# Altium PCB rt10.PcbDoc (part 3 of 4)
Units mil, origin at the board's own origin, x right, y up, seen from the top; angles counter-clockwise.
Board outline 1400 x 1750 mil, 8 copper layers (Top, L2, L3, L4, L5, L6, L7, Bottom), stack 46.851 mil thick; 256 components, 225 nets, 1033 pads, 563 vias.
Unrouted connection lines stored in the file: 9.
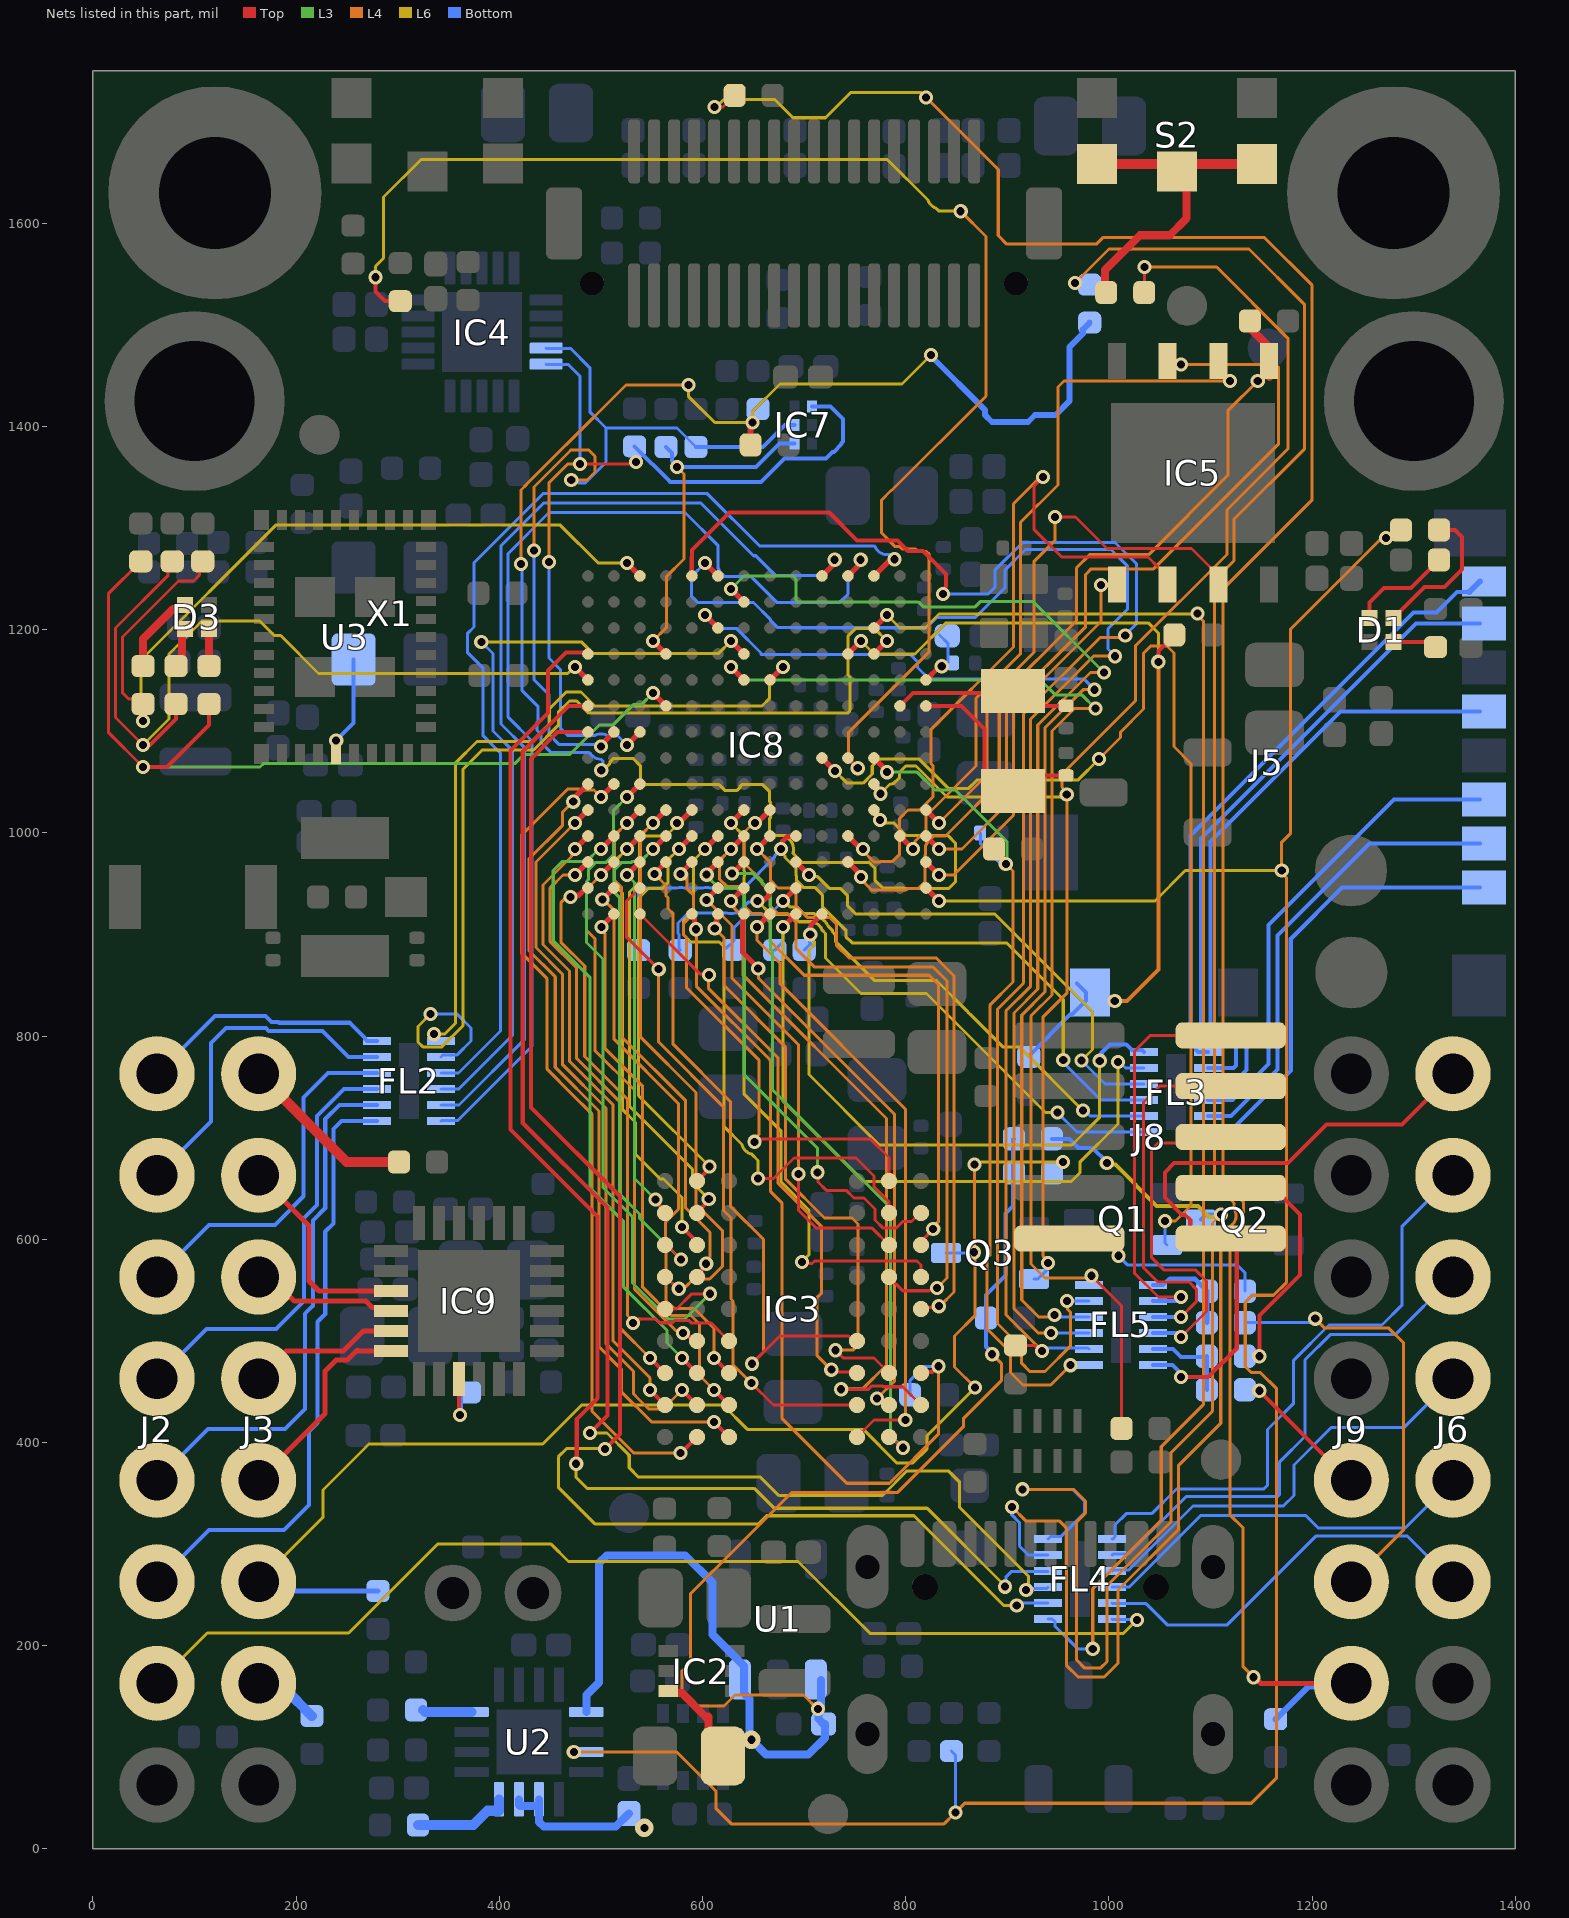
[diagram p9: the nets of this part, all layers, seen from the top]

## Via types
v1: diameter 14, hole 8, Top to Bottom, tented both sides, 524 vias
v2: diameter 18, hole 8, Top to Bottom, tented both sides, 17 vias
v3: diameter 24, hole 12, Top to Bottom, tented both sides, 7 vias
v4: diameter 16, hole 8, Top to Bottom, tented both sides, 6 vias
v5: diameter 18, hole 12, Top to Bottom, tented both sides, 3 vias
v6: diameter 18, hole 18, Top to Bottom, tented both sides, 2 vias
v7: diameter 20, hole 12, Top to Bottom, tented both sides, 2 vias
v8: diameter 16, hole 10, Top to Bottom, tented both sides, 1 vias
v9: diameter 22, hole 10, Top to Bottom, tented both sides, 1 vias

## Nets (pads, with @x,y where several pads share a name; then routed paths per layer and width w, separated by ;. In a path a pad name is that pad's centre, name@x,y a point inside that pad or via, vN(x,y) a via of type N, cw(c..) or ccw(c..) an arc to the next point about the centre after c; other vN are vias at no path point) (continued)
ILIM: R10.1 U2.12 | length 96.7
  Bottom w10: R10.1@319.88,23.62 374.4,23.62 388.34,37.56 399.48,37.56 399.6,37.68 U2.12@399.6,48.82
INT_I2C_INT: IC7.4 IC8.D11 R17.1 | length 353.7
  Top w5: v1(551.18,1188.97) IC8.D11@563.97,1176.18
  L4 w3: v1(551.18,1188.97) 564.27,1202.06 564.27,1252.27 581.69,1269.69 581.69,1353.35 v1(574.8,1360.24)
  Bottom w4: R17.1@563.98,1379.92 569.72,1374.18 569.72,1366.17 575.66,1360.24 652.56,1360.24 675.79,1383.47 IC7.4@690.36,1383.47
INT_I2C_SCL: IC4.10 IC7.1 IC8.C8 R15.1 | length 850.8
  Top w3: v1(479.33,1363.19) 530.04,1363.19 532.01,1365.16 v1(534.45,1365.16)
  Top w5: v1(525.59,1086.62) IC8.C8@538.38,1099.41
  L4 w3: v1(448.82,1266.73) 448.82,1344.72 467.29,1363.19 v1(479.33,1363.19)
  Bottom w3: IC4.10@445.99,1461.5 446.5,1461 468,1461 479.33,1449.67 v1(479.33,1363.19) ; v1(448.82,1266.73) 448.82,1172.18 460,1161 460,1103.13 467.13,1096 494.06,1096 cw(c500,1085) 505.94,1096 516.21,1096 v1(525.59,1086.62)
  Bottom w4: R15.1@533.09,1380.5 568.19,1345.4 657.4,1345.4 680.59,1368.58 721.48,1368.58 727.95,1375.05 729.27,1375.05 736.89,1382.66 736.89,1383.99 738.19,1385.29 738.19,1407.48 725.98,1419.69 IC7.1@707.68,1419.69
INT_I2C_SDA: IC4.9 IC7.5 IC8.B8 R16.1 | length 841.8
  Top w5: v1(500,1085) 500,1086.62 IC8.B8@512.79,1099.41
  L4 w3: v1@434.06,1275.59 434.06,1340.55 468.5,1375 468.56,1375 470.67,1377.11 487.75,1377.11 494.12,1370.74 494.12,1355.34 486.14,1347.36 v1(470.76,1347.36)
  Bottom w3: v1@434.06,1275.59 434.06,1150.8 448.79,1136.07 448.79,1097.21 459.04,1086.96 498.04,1086.96 v1(500,1085) ; IC4.9@445.99,1477.25 446.24,1477 470,1477 489,1458 489,1414.55 504.93,1398.62 ; v1(470.76,1347.36) 472.86,1345.26 477.4,1345.26 478.01,1344.65 484.65,1344.65 504.93,1364.93 504.93,1398.62 ; R16.1@593.5,1379.92 574.8,1398.62 504.93,1398.62
  Bottom w4: R16.1@593.5,1379.92 659.51,1379.92 681.17,1401.58 IC7.5@690.36,1401.58
  other v1: 434,1278
ISET: R12.1 U2.16 | length 48.7
  Bottom w10: R12.1@324.8,136.81 326.77,134.84 U2.16@372.63,134.85
JTAG_TCK: FL5.4 IC8.F12 | length 1147.7
  Top w5: v1(602.36,1214.56) IC8.F12@615.15,1201.77
  L4 w3: v1(946.46,525.52) 944.57,523.62 930.81,523.62 914.12,540.31 914.12,820.67 936.9,843.45 936.9,1103.29 974.62,1141.01 v1(985.8,1141.01)
  Bottom w3: v1(602.36,1214.56) 615.45,1201.47 633.13,1201.47 657.43,1177.17 657.43,1175.88 804.32,1175.88 811.61,1168.59 811.61,1162.89 822.83,1151.67 975.14,1151.67 v1(985.8,1141.01) ; v1(946.46,525.52) 948.36,523.62 FL5.4@980.31,523.62
JTAG_TCK_INT: FL5.9 J8.4 | length 377.3
  Top w3: v1(1070.87,523.62) 1086,538.75 1086,551 1079,558 1048,558 1034,572 1034,735 1049.79,750.79 J8.4@1119.88,750.79
  Bottom w4: FL5.9@1043.31,523.62 v1(1070.87,523.62)
JTAG_TDI: FL5.2 IC8.F14 R71.1 | length 1478.8
  Top w3: R71.1@908,495.7 926.91,495.7 932.48,490.13 v1(934.17,490.13)
  Top w5: v1(602.36,1265.74) IC8.F14@615.15,1252.95
  L4 w3: v1(934.17,490.13) 898.58,525.72 898.58,824.93 922.9,849.25 922.9,1112.14 984.75,1174 v1(1006,1174)
  Bottom w3: v1(602.36,1265.74) 589.27,1252.65 589.27,1232.73 594.94,1227.06 633.13,1227.06 633.32,1226.87 650.1,1226.87 666.64,1210.33 666.64,1209.38 673.96,1202.06 691.94,1202.06 692,1202 820.38,1202 830.54,1212.16 868.46,1212.16 897.45,1241.15 897.45,1258.55 917.9,1279 1002,1279 1018,1263 1018,1220 999,1201 999,1181 v1(1006,1174) ; v1(934.17,490.13) 937.15,490.13 940.12,493.11 979.33,493.11 FL5.2@980.31,492.13
JTAG_TDI_INT: FL5.11 R55.1 R58.1 | length 89.6
  Bottom w4: FL5.11@1043.31,492.13 1062.99,492.13 1070.87,484.25 1095.55,484.25 R58.1@1096.3,485 R55.1@1096.3,452
JTAG_TDI_INT_UNUSED: J8.8 R58.2 | length 196.8
  Top w4: v1(1148,485) 1148,525 1188,565 1188,624.67 J8.8@1159.29,653.38
JTAG_TDO: FL5.3 IC8.G13 | length 1200.9
  Top w5: v1(627.95,1240.15) IC8.G13@640.74,1227.36
  L3 w3: v1(627.95,1240.15) 640.8,1253 689,1253 692,1250 692,1229.26 693.76,1227.5 812.18,1227.5 817.04,1222.64 868.34,1222.64 873.7,1228 925,1228 v1(995,1158)
  L4 w3: v1(942.91,507.87) 930.3,507.87 906.46,531.71 906.46,822.91 929.9,846.35 929.9,1106.19 981.71,1158 v1(995,1158)
  Bottom w3: v1(942.91,507.87) FL5.3@980.31,507.88
JTAG_TDO_INT: FL5.10 J8.6 | length 347.4
  Top w3: v1(1070.87,503.94) 1096,529.07 1096,559 1085,570 1054,570 1042,582 1042,688 1049,695 1114.09,695 J8.6@1119.88,700.79
  Bottom w4: FL5.10@1043.31,507.88 1066.93,507.87 v1(1070.87,503.94)
JTAG_TMS: FL5.5 IC8.E14 | length 1563.6
  Top w4: IC8.E14@589.56,1252.95 589.36,1253.15 589.36,1271.12 589.56,1271.32 589.56,1278.53 626.37,1315.34 724.66,1315.34 752.13,1287.87 791.63,1287.87 801.92,1277.58 816.91,1277.58 839.57,1254.92 839.57,1242.48 838.47,1241.39 838.47,1237.05 v1(836.56,1235.14)
  L4 w3: v1@958.66,539.53 959.11,539.08 959.11,531.13 962.27,527.97 962.27,495.27 937,470 922,470 914,478 914,493.48 890.27,517.21 890.27,826.52 915.9,852.15 915.9,1117.08 991.33,1192.51 1014.22,1192.51 v1(1016.02,1194.31)
  Bottom w3: v1(836.56,1235.14) 881.05,1235.14 888,1242.09 888,1259 915,1286 1006,1286 1027,1265 1027,1205.84 1016.02,1194.86 v1(1016.02,1194.31) ; v1@958.66,539.53 v1(958.74,539.45) 980.23,539.45 FL5.5@980.31,539.37
JTAG_TMS_INT: FL5.8 J8.2 | length 404.3
  Top w3: v1(1070.87,543.31) 1048.69,543.31 1025,567 1025,785 1040.79,800.79 J8.2@1119.88,800.79
  Bottom w4: FL5.8@1043.31,539.37 1066.93,539.37 v1(1070.87,543.31)
JTAG_TRSTB: FL5.6 IC8.G10 R72.1 | length 1207.6
  Top w3: v1(982.79,564.18) 1012.3,534.67 R72.1@1012.3,414
  Top w5: v1(627.95,1163.38) IC8.G10@640.74,1150.59
  L3 w3: v1(627.95,1163.38) 640.73,1150.6 932.53,1150.6 947.15,1135.98 973.16,1135.98 986.68,1122.46 v1(986.82,1122.46)
  L4 w3: v1(982.79,564.18) 980.68,562.08 975.6,562.08 975.53,562.01 937.01,562.01 923.33,575.69 923.33,819.98 943.9,840.55 943.9,1100.39 965.96,1122.46 v1(986.82,1122.46)
JTAG_TRSTB_INT: FL5.7 R56.1 R59.2 | length 92
  Bottom w4: FL5.7@1043.31,555.12 1053.15,555.12 1059.2,561.16 1060.09,561.16
  Bottom w5: 1060.09,561.16 1084.44,561.16 R59.2@1096.6,549 1096.3,548.7 R56.1@1096.3,518
JTAG_TRSTB_INT_UNUSED: J8.9 R59.1 | length 149.7
  Bottom w3: v1(1009.24,583.86) 1018.1,575 1126,575 1134,567 R59.1@1134,549
LED_B: IC8.C14 R19.1 R44.2 | length 831.1
  Top w3: R19.1@49.21,1126.97 44.23,1131.95 35.05,1131.95 29.07,1137.93 29.07,1192.9 84.16,1248 99,1248 104.73,1253.73 104.73,1264.03 R44.2@108,1267.3
  Top w4: v1(49.21,1110.23) R19.1@49.21,1118.11
  Top w5: v1(525.59,1265.74) IC8.C14@538.38,1252.95
  L6 w3: v1(49.21,1110.23) 47.68,1111.76 47.68,1115.56 47.24,1115.99 47.24,1170.35 179.9,1303 460,1303 497.26,1265.74 v1(525.59,1265.74)
LED_B_INT: D3.1 R19.2 | length 81.8
  Top w8: R19.2@49.21,1164.37 49.21,1190.94 78.8,1220.54 86.67,1220.54 D3.1@90.55,1224.41
LED_CHG: D1.3 R1.2 | length 101.2
  Top w4: D1.3@1256.36,1211.46 1256.36,1226.84 1270.67,1241.14 1297.24,1241.14 R1.2@1324.8,1268.7
LED_G: IC8.A10 R20.1 R45.2 | length 828.3
  Top w3: v1(49.21,1086.61) 22.07,1113.76 22.07,1201.82 73.98,1253.73 73.98,1263.28 R45.2@78,1267.3
  Top w4: v1(49.21,1086.61) 56.1,1086.61 81.69,1112.2 R20.1@81.69,1126.97
  Top w5: v1(474.41,1163.38) IC8.A10@487.2,1150.59
  L6 w3: v1(49.21,1086.61) 74.8,1112.2 74.8,1176.18 107.28,1208.66 164.12,1208.66 178.47,1194.32 184.68,1194.32 222.03,1156.97 467.15,1156.97 473.57,1163.38 v1(474.41,1163.38)
LED_G_INT: D3.2 R20.2 | length 37.5
  Top w8: R20.2@87.69,1164.45 87.69,1197.93 D3.2@90.55,1200.79
LED_PGOOD: D1.2 R4.2 | length 144.9
  Top w4: D1.2@1279.98,1211.46 1310.65,1242.13 1330.44,1242.13 1347.44,1259.13 1347.44,1291.34 1340.55,1298.23 R4.2@1324.8,1298.23
LED_R: IC8.D9 R21.1 R46.2 | length 882.7
  Top w3: R46.2@47,1267.3 15.07,1235.36 15.07,1099.11 v1(49.21,1064.96)
  Top w4: v1(49.21,1064.96) 72.83,1064.96 114.17,1106.3 R21.1@114.17,1126.97
  Top w5: v1(551.18,1137.79) IC8.D9@563.97,1125
  L3 w3: v1(49.21,1064.96) 164.37,1064.96 167.96,1068.55 415.65,1068.55 424.55,1077.45 469.45,1077.45 498.5,1106.5 511.98,1106.5 531.78,1126.3 539.7,1126.3 v1(551.18,1137.79)
LED_R_INT: D3.3 R21.2 | length 36.4
  Top w8: R21.2@114.17,1164.37 D3.3@114.17,1200.79
LED_ST: D1.1 R5.2 | length 43.4
  Top w4: D1.1@1279.98,1187.85 1316.4,1187.85 R5.2@1321.35,1182.9
LPO_IN: U3.37 X1.3 | length 86.7
  Bottom w4: v1(239.36,1091.14) 256.57,1108.35 X1.3@256.57,1170.72
MDI_LED: J3.8 R35.2 | length 174.1
  Top w10: J3.8@162.99,762.99 249.8,676.18 R35.2@301.18,676.18
MDI_RX_N: IC9.3 J3.7 | length 209.3
  Top w5: J3.7@162.99,662.99 212.6,613.38 212.6,559.06 222.44,549.21 IC9.3@293.31,549.21
MDI_RX_P: IC9.4 J3.6 | length 144.2
  Top w5: J3.6@162.99,562.99 174.54,562.99 198.16,539.37 268.55,539.37 274.99,532.93 289.9,532.93 IC9.4@293.31,529.53
MDI_TX_N: IC9.5 J3.5 | length 149.7
  Top w5: J3.5@162.99,462.99 190.19,490.19 246.4,490.19 266.05,509.84 IC9.5@293.31,509.84
MDI_TX_P: IC9.6 J3.4 | length 208
  Top w5: J3.4@162.99,362.99 228.52,428.52 228.52,470.39 239.33,481.19 250.13,481.19 259.68,490.74 260.85,490.74 261.43,490.16 IC9.6@293.31,490.16
NVCC_PLL: C104.2 C107.1 IC8.P10 | length 52.1
  Top w5: IC8.P10@819.88,1150.59 833.46,1164.17 v1(835.42,1164.17)
  Bottom w3: C104.2@833.27,1194.94 841.36,1186.85 C107.1@841.36,1167.39
ONOFF: IC8.M6 Q3.2 R70.2 | length 1458.8
  Top w3: R70.2@1034.7,1532 1035,1532.3 v1(1035,1557)
  Top w5: IC8.M6@768.7,1048.22 768.7,1046.54 774.97,1040.26 v1(774.97,1038.58)
  L4 w3: v1(939.99,576.7) 939.99,578.89 934.92,583.96 934.92,818.77 958.45,842.31 958.45,1037.79 958.45,1040.31 953.71,1045.05 953.71,1057.71 1025.98,1129.98 1025.98,1183.98 1116.09,1274.09 1116.09,1318.09 1176,1378 1176,1487 1106,1557 v1(1035,1557)
  L6 w3: v1(774.97,1038.58) 784.02,1047.63 ccw(c781.47,1059.87) 787.21,1048.76 787.62,1048.34 793.97,1054.69 793.97,1059.97 800,1066 810,1066 840.57,1035.43 951.19,1035.43 951.44,1035.68 956.34,1035.68 v1(958.45,1037.79)
  Bottom w3: Q3.2@926.18,561.02 930.01,561.02 938.24,569.26 938.24,574.96 v1(939.99,576.7)
P0_MOSI: FL2.1 IC8.H10 | length 691.8
  Top w5: IC8.H10@666.35,1150.59 v1(679.14,1163.38)
  L6 w3: v1(335.6,801.98) 345.98,801.98 357,813 357,1069 377.96,1089.96 431.96,1089.96 449.48,1107.48 449.48,1122.48 465.72,1138.72 480.28,1138.72 494,1125 658.43,1125 666.04,1132.61 666.04,1150.28 v1(679.14,1163.38)
P0_MOSI_INT: FL2.12 J2.8 | length 250.9
  Bottom w4: J2.8@62.99,762.99 119.88,819.88 169.6,819.88 175.72,813.77 182.41,813.77 182.97,813.21 252.74,813.21 267.74,798.21 267.74,797.22 269.68,795.28 FL2.12@279.52,795.28
P1_MISO: FL2.2 IC8.M11 | length 995.8
  Top w5: IC8.M11@768.7,1176.18 v1(781.49,1188.97)
  L6 w3: v1(332.2,821.94) 319.88,809.63 319.88,794.29 324.69,789.48 343.38,789.48 364,810.1 364,1062.53 383.11,1081.64 433.71,1081.64 458,1105.93 458,1119 469,1130 476,1130 488,1118 742.62,1118 745,1120.38 745,1153.62 743.21,1155.41 743.21,1194 ; 743.25,1194 750.72,1201.47 768.99,1201.47 v1(781.49,1188.97)
  Bottom w3: v1(332.2,821.94) 358.18,821.94 372.05,808.07 372.05,795.28 358.45,781.68 344.67,781.68 FL2.2@342.52,779.53
P1_MISO_INT: FL2.11 J2.7 | length 333.6
  Bottom w4: J2.7@62.99,662.99 116.14,716.14 116.14,793.31 130.82,807.98 170.19,807.98 172.96,805.21 225.86,805.21 251.53,779.53 FL2.11@279.52,779.53
P2_SCLK: FL2.3 IC8.M14 | length 1048.8
  Top w5: IC8.M14@768.7,1252.95 783.4,1267.65 787.05,1267.65 v1(788.77,1269.37)
  Bottom w3: FL2.3@342.52,763.78 359.78,763.78 401.17,805.17 401.17,1078.53 384,1095.7 384,1162.26 368.43,1177.83 368.43,1196.19 375,1202.76 375,1266 443,1334 604.6,1334 656.03,1282.57 768.84,1282.57 769.72,1281.7 770.08,1281.34 ccw(c781.43,1286.57) 782.96,1274.17 783.13,1274.17 784.38,1274.17 v1@788.95,1269.59 ; v1(788.77,1269.37) v1@788.95,1269.55
P2_SCLK_INT: FL2.10 J2.6 | length 356.7
  Bottom w4: J2.6@62.99,562.99 112.2,612.2 114.17,614.17 179.03,614.17 207.32,642.46 207.32,739.68 231.42,763.78 FL2.10@279.52,763.78
P3_NSS: FL2.4 IC8.G11 | length 765.6
  Top w5: v1(627.95,1188.97) IC8.G11@640.74,1176.18
  L6 w3: v1(382.25,1187.98) 382.36,1187.87 481.13,1187.87 492.53,1176.47 615.45,1176.47 v1(627.95,1188.97)
  Bottom w3: FL2.4@342.52,748.04 360.04,748.04 412.72,800.72 412.72,1081.38 393.63,1100.46 393.63,1176.6 v1(382.25,1187.98)
P3_NSS_INT: FL2.9 J2.5 | length 433.9
  Bottom w4: J2.5@62.99,462.99 111.81,511.81 180.36,511.81 207.77,539.22 207.77,621.15 220.6,633.98 220.6,721.59 221.94,722.94 247.04,748.03 FL2.9@279.52,748.04
P4_SCL: FL2.5 IC8.K14 | length 1003.8
  Top w5: IC8.K14@717.52,1252.95 v1@730.31,1265.74
  Bottom w3: FL2.5@342.52,732.29 360.29,732.29 424.88,796.88 424.88,1083.97 401.61,1107.25 401.61,1282.71 443.9,1325 597.9,1325 650.04,1272.86 652.31,1272.86 671.93,1253.24 717.81,1253.24 v1@730.31,1265.74
  other v1: 730,1269
P4_SCL_INT: FL2.8 J2.4 | length 524.9
  Bottom w4: J2.4@62.99,362.99 113.39,413.39 188.98,413.39 208.66,433.07 208.66,526.82 216.54,534.7 216.54,618.61 228.6,630.67 228.6,718.28 242.6,732.28 FL2.8@279.52,732.29
P5_SDA: FL2.6 IC8.L14 | length 1074.1
  Top w5: IC8.L14@743.11,1252.95 v1@755.9,1265.74
  Bottom w3: FL2.6@342.52,716.54 343.02,717.04 359.04,717.04 432,790 432,1090.64 408.61,1114.03 408.61,1275.17 448.92,1315.49 582.75,1315.49 615,1283.24 615,1261.01 616,1260.01 616,1258 621.35,1252.65 647.35,1252.65 672.94,1227.06 735.06,1227.06 743.11,1235.11 743.11,1252.95 v1@755.9,1265.74
  other v1: 755.59,1269
P5_SDA_INT: FL2.7 J2.3 | length 607.1
  Bottom w4: J2.3@62.99,262.99 114.17,314.17 188.19,314.17 212.6,338.58 212.6,411.01 221.03,419.44 221.03,518.94 228.6,526.51 228.6,607.54 236.6,615.54 236.6,708.66 244.47,716.54 FL2.7@279.52,716.54
P6_ADC: FL4.1 IC8.M12 | length 1459.7
  Top w5: IC8.M12@768.7,1201.77 v1(781.49,1214.56)
  L4 w3: v1(984,197) 984,256 1051.46,323.46 1051.46,395.92 1092.85,437.31 1092.85,1208.74 1087,1214.59 v1(1087,1216)
  L6 w3: v1(781.49,1214.56) 794.28,1201.77 818.9,1201.77 832.68,1215.55 v1@1087,1215.55
  Bottom w3: FL4.1@940,226.25 944.24,226.25 946.68,223.81 946.68,219.57 969.25,197 v1(984,197)
P6_ADC_INT: FL4.12 J2.2 | length 1088
  L6 w3: J2.2@62.99,162.99 112.6,212.6 251.6,212.6 339,300 451,300 468,283 694,283 765,212 1014.07,212 v1(1027.46,225.39)
  Bottom w3: FL4.12@1003,226.25 1003.25,226 1026.85,226 v1(1027.46,225.39)
P7_PWM: FL4.2 IC8.A8 | length 1406
  Top w4: IC8.A8@487.2,1099.41 486.99,1099.2 457.2,1099.2 431,1073 431,730 518.55,642.45 518.55,408.31 v1(503.94,393.7)
  L6 w3: v1(503.94,393.7) 503.64,394 466,394 458,386 458,356 494,320 655,320 663,328 808,328 896.43,239.57 v1(909.2,239.57)
  Bottom w3: v1(909.2,239.57) 912.17,239.57 914.59,241.99 FL4.2@940,242
P7_PWM_INT: FL4.11 J6.3 | length 399.5
  Bottom w3: FL4.11@1003,242 1003.25,241.75 1036.06,241.75 1057.21,220.6 1116.45,220.6 1204.06,308.21 1293.36,308.21 J6.3@1338.58,262.99
P8_PWM: FL4.3 IC8.A9 | length 1363.6
  Top w4: IC8.A9@487.2,1125 487,1125.2 467.99,1125.2 423,1080.21 423,714.72 506.5,631.21 506.5,426.78 v1(489.17,409.45)
  L6 w3: v1(489.17,409.45) 505.91,409.45 527.79,387.56 ; 527.09,386.85 527.79,386.15 527.79,375.21 537,366 657,366 675,348 777,348 801.2,372.2 841.8,372.2 853,361 853,336.17 920.57,268.59 920.57,257.1 v1(918.47,255)
  Bottom w3: v1(918.47,255) 919.84,256.38 938.88,256.38 FL4.3@940,257.5
P8_PWM_INT: FL4.10 J6.4 | length 389.6
  Bottom w3: FL4.10@1003,257.75 1019.69,257.75 1090.25,328.32 1193.68,328.32 1206.24,315.76 1291.35,315.76 J6.4@1338.58,362.99
P9_PWM: FL4.4 IC8.A11 | length 1421.8
  Top w4: v1(475.57,379.15) 476.17,379.75 476.17,423.14 496.65,443.62 496.65,622.51 411,708.16 411,1081.17 447.83,1118 447.83,1160.01 465.53,1177.71 481.15,1177.71 481.26,1177.6 485.78,1177.6 IC8.A11@487.2,1176.18
  L6 w3: v1(475.57,379.15) 475.39,378.97 475.39,365.79 486.18,355 650.77,355 670.38,335.38 821.04,335.38 897.57,258.86 v1(897.57,258.2)
  Bottom w3: v1(897.57,258.2) 898.52,259.15 898.52,267.51 904.24,273.24 FL4.4@940,273.24
P9_PWM_INT: FL4.9 J6.5 | length 431.6
  Bottom w3: FL4.9@1003,273.49 1004.03,274.52 1019.52,274.52 1082.65,337.65 1171.65,337.65 1182,348 1182,378 1219,415 1290.59,415 J6.5@1338.58,462.99
P10_PWM: FL4.5 R54.1 | length 2024.6
  L4 w3: v1(904.44,336.59) 918.03,323 951,323 957.96,316.04 957.96,180.93 969.7,169.2 995.3,169.2 1008.87,182.76 1008.87,254.87 1068.31,314.31 1068.31,377.31 1110,419 1110,603.41 1123.09,616.5 ccw(c1112.68,623.41) 1123.09,630.32 1123.09,635.91 1104,655 1104,1248.91 1123.09,1268 1123.09,1308.85 1192.54,1378.3 1192.54,1520.06 1137.8,1574.8 1000,1574.8 v1(966.54,1541.34)
  Bottom w3: v1(904.44,336.59) 904.18,336.33 904.18,328.9 912,321.08 912,298 920.76,289.24 FL4.5@940,289.24
P10_PWM_INT: FL4.8 J6.6 | length 511.9
  Bottom w3: FL4.8@1003,289.24 1004.28,290.52 1019.52,290.52 1075.77,346.77 1165.77,346.77 1168,349 1168,381 1193,406 1193,481.45 1217.77,506.22 1281.81,506.22 J6.6@1338.58,562.99
P11_WAKEUP: FL4.6 Q2.3 R22.1 | length 1095
  L4 w3: v1(915,354) 965,354 977,342 977,331 968.22,322.22 968.22,185.96 976.24,177.95 991.53,177.95 998,184.42 998,259 1061,322 1061,390 1101.87,430.87 1101.87,616.1 v1(1110.36,624.59)
  L6 w4: v1(997.88,675.3) 999.66,673.52 1006.48,673.52 1046.92,633.08 1087.46,633.08 1098.46,622.07 1103.01,622.07 1103.61,622.67 1108.44,622.67 v1(1110.36,624.59)
  Bottom w3: v1(915,354) 964,354 976,342 976,331 952.42,307.43 942.43,307.43 FL4.6@940,304.99
  Bottom w4: R22.1@943.7,699 961,699 970,690 984,690 997.88,676.12 v1(997.88,675.3) ; Q2.3@1090.38,619.41 1095.41,624.44 1110.21,624.44 v1(1110.36,624.59)
P11_WAKEUP_INT: FL4.7 J6.7 | length 592.9
  Bottom w3: FL4.7@1003,304.99 1003.57,304.99 1006,307.43 1006,319 1017,330 1042,330 1066.4,354.4 1152.4,354.4 1155.99,357.99 1155.99,412.88 1181.71,438.6 1181.71,480.92 1216.54,515.75 1268.7,515.75 1288.59,535.64 1288.59,613 J6.7@1338.58,662.99
P12_RST_N: C63.1 FL5.1 IC8.M7 R33.2 | length 826.5
  Top w5: IC8.M7@768.7,1073.81 v1@781.49,1061.02
  L3 w3: v1(781.47,1059.87) 811.13,1059.87 828.72,1042.28 848.72,1042.28 899.52,991.48 899.52,970.58 v1(898.5,969.56)
  L4 w3: v1(898.5,969.56) 905.51,962.54 905.51,853.35 883.02,830.85 883.02,584.76 880,581.75 880,512 903,489 903,469 915.34,456.66 942.62,456.66 v1(962.14,476.19)
  Bottom w3: C63.1@873.03,1000 873.43,999.6 873.43,989.76 891.53,971.66 896.39,971.66 v1(898.5,969.56)
P12_RST_N_EXT: FL5.12 J6.8 J8.10 | length 646.4
  Top w4: v1(1070.87,464.57) 1097.57,464.57 1125.75,492.75 1125.75,594.92 J8.10@1119.88,600.79 1090.21,600.79 1080,611 1080,619 1075,624 1072.04,624 1055,641.04 1055,666 1064,675 1176,675 1214,713 1288.59,713 J6.8@1338.58,762.99
  Bottom w4: FL5.12@1043.31,476.38 1062.48,476.38 1070.87,467.99 v1(1070.87,464.57)
P13: J9.3 R56.2 | length 424.5
  L4 w3: v1(1203,522) 1212,513 1275,513 1290,498 1290,314.22 J9.3@1238.51,262.72
  Bottom w3: R56.2@1133.7,518 1199,518 v1(1203,522)